# Altium PCB MiniPC.PcbDoc (part 6 of 23) (continued)
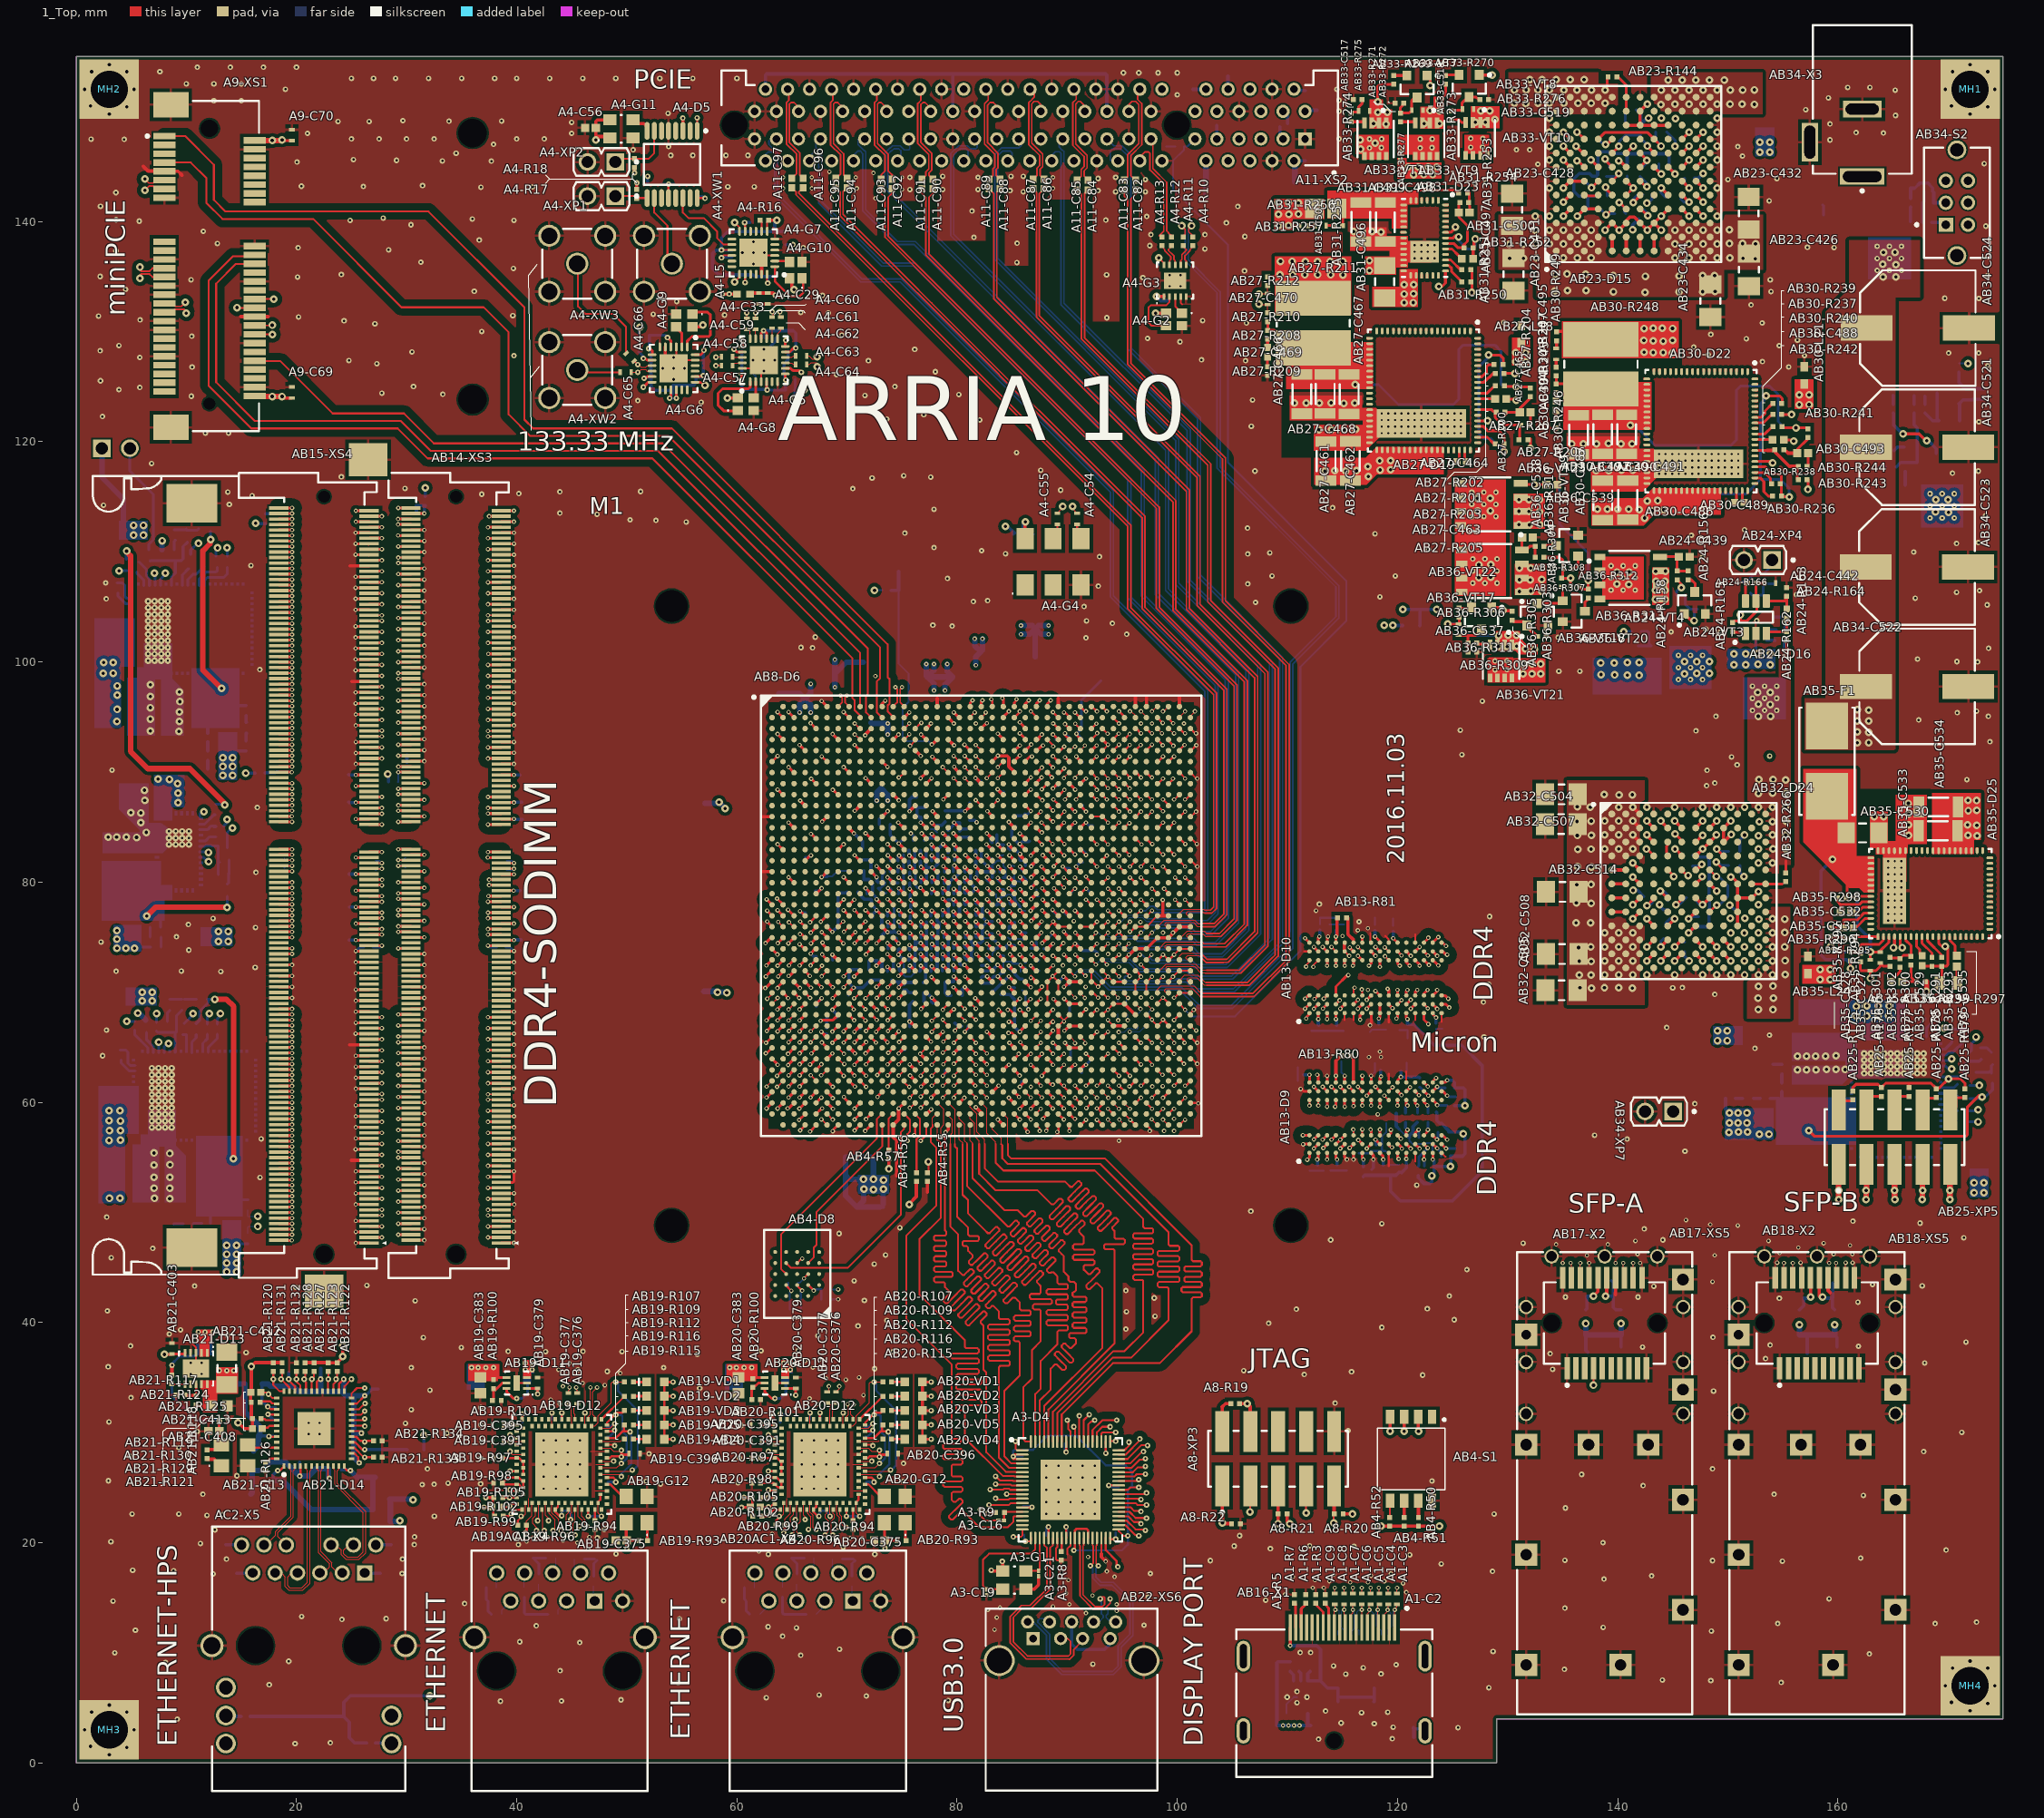
[diagram p0: 1_Top view]
## Part data (continued)
  AB2-C261: New_des=C261, Old_des=C412
  AB2-C266: New_des=C266, Old_des=C413
  AB2-C271: New_des=C271, Old_des=C414
  AB2-C276: New_des=C276, Old_des=C415
  AB2-C281: New_des=C281, Old_des=C416
  AB2-C286: New_des=C286, Old_des=C417
  AB2-C291: New_des=C291, Old_des=C418
  AB2-C296: New_des=C296, Old_des=C419
  AB2-C301: New_des=C301, Old_des=C420
  AB2-C305: New_des=C305, Old_des=C421
  AB2-C309: New_des=C309, Old_des=C422
AB2-L7 AB2-L8 AB21-L11 AB21-L12 AB21-L13 AB21-L14 AB23-L15 AB25-L16 AB26-L17 AB27-L18 AB28-L19 AB29-L20 AB30-L21 AB31-L22 AB32-L23 AB35-L24: library part E45, "SMD EMI Suppression Ferrite Bead WE-CBF, Z = 30 Ohm", ComponentLink1Description="Manufacturer Link", ComponentLink1URL=http://www.we-online.com, ComponentLink2Description=Datasheet, ComponentLink2URL=http://www.we-online.de/katalog/media/pdf/742792609.pdf, DatasheetVersion=Dec-2005, Impedance="30 Ohm", PackageDescription="Chip Inductor, 2-Leads, Body 1.6 x 0.8 mm", PackageReference=SMD-0603, PackageVersion=2009, UID=E45, Тип элемента="Ферритовый дроссель"
  AB2-L7: New_des=L7, Old_des=L15
  AB2-L8: New_des=L8, Old_des=L16
  AB21-L11: New_des=L12, Old_des=L14
  AB21-L12: New_des=L13, Old_des=L12
  AB21-L13: New_des=L15, Old_des=L13
  AB21-L14: New_des=L14, Old_des=L11
  AB23-L15: New_des=L16, Old_des=L9
  AB25-L16: New_des=L9, Old_des=L4
  AB26-L17: New_des=L17, Old_des=L3
  AB27-L18: New_des=L18, Old_des=L2
  AB28-L19: New_des=L19, Old_des=L1
  AB29-L20: New_des=L20, Old_des=L5
  AB30-L21: New_des=L21, Old_des=L6
  AB31-L22: New_des=L22, Old_des=L7
  AB32-L23: New_des=L23, Old_des=L8
  AB35-L24: New_des=L24, Old_des=L10
AB3-D7: library part E113, "Nanopower Precision Shunt Voltage Reference, 1.25 V, 0.05%, 10 ppm/degC, 0 to 70 degC, 8-Pin S8, Tube", Current - Cathode="600 A", Current - Output=20mA, Current - Supply=-, Operating Temperature="0 C ~ 70 C (TA)", Package / Case="8-SOIC (0.154&quot;, 3.90mm Width)", Standard Package=100, Temperature Coefficient=10ppm/C, Tolerance=0.05%, Voltage - Output (Min/Fixed)=1.25V, Category="Integrated Circuits (ICs)", ComponentLink1Description="Manufacturer URL", ComponentLink1URL=http://www.linear.com/, ComponentLink2Description=Datasheet, ComponentLink2URL=http://cds.linear.com/docs/en/datasheet/1389fa.pdf, DatasheetVersion="Rev. A", Family="PMIC - Voltage Reference", Mounting Technology="Surface Mount", Mounting Type="Surface Mount", New_des=D7, Noise - 0#1Hz to 10Hz=25Vp-p, Noise - 10Hz to 10kHz=-, Old_des=U13, Output Type=Fixed, PackageDescription="8-Pin Small Outline Integrated Package, Body 5 x 4 mm, Pitch 1.27 mm", Packaging="Tubeа а", PartNumber=LT1389ACS8-1.25, Product Training Modules="Voltage Reference Basics", Reference Type=Shunt, Series=-, UID=E113, Voltage - Input=-, Voltage - Output (Max)=-, Тип элемента="Прецизионный ИОН"
AB3-R26 AB3-R27 AB3-R28 AB3-R29 AB3-R30 AB3-R31 AB3-R32 AB3-R33 AB3-R34 AB3-R35 AB3-R36 AB3-R37 AB3-R38 AB3-R39 AB3-R40 AB3-R41 AB3-R42 AB3-R43 AB3-R45 AB3-R46 AB3-R47 AB3-R48 AB3-R49: library part E94, "Chip Resistor, 240 Ohm, +/- 5%, 100 mW, -55 to 155 degC, 0402 (1005 Metric), RoHS, Tape and Reel", Case\/Package=0402, Case Code (Metric)=1005, Manufacturer="Basic Passives", Max Operating Temperature="155 degC", Min Operating Temperature="-55 degC", Package Quantity=10000, Power Rating="100 mW", Resistance="240 Ohm", Tolerance=5%, Voltage Rating="50 V", Case Code (Imperial)=0402, ComponentLink1Description="Manufacturer URL", ComponentLink1URL=http://www.panasonic.com/, ComponentLink2Description=Datasheet, ComponentLink2URL=http://industrial.panasonic.com/cdbs/www-data/pdf/RDA0000/AOA0000C84.pdf, DatasheetVersion=03/2015, Height="0.35 mm", Length="1 mm", Mount="Surface Mount", Mounting Technology="Surface Mount", PackageDescription="2-Pin Surface Mount Device, Body 1 x 0.5 mm", PackageReference=0402, Packaging="Tape and Reel", PartNumber=ERJ-2GEJ241x, Pins=2, Radiation Hardening=No, REACH SVHC=Yes, RoHSCompliant=true, UID=E94, Width="0.5 mm", Тип элемента=Резистор
  AB3-R26: New_des=R26, Old_des=R206
  AB3-R27: New_des=R27, Old_des=R194
  AB3-R28: New_des=R28, Old_des=R205
  AB3-R29: New_des=R29, Old_des=R193
  AB3-R30: New_des=R30, Old_des=R204
  AB3-R31: New_des=R31, Old_des=R192
  AB3-R32: New_des=R32, Old_des=R203
  AB3-R33: New_des=R33, Old_des=R191
  AB3-R34: New_des=R34, Old_des=R202
  AB3-R35: New_des=R35, Old_des=R190
  AB3-R36: New_des=R36, Old_des=R201
  AB3-R37: New_des=R37, Old_des=R189
  AB3-R38: New_des=R38, Old_des=R200
  AB3-R39: New_des=R39, Old_des=R188
  AB3-R40: New_des=R40, Old_des=R199
  AB3-R41: New_des=R41, Old_des=R187
  AB3-R42: New_des=R42, Old_des=R198
  AB3-R43: New_des=R43, Old_des=R186
  AB3-R45: New_des=R45, Old_des=R197
  AB3-R46: New_des=R46, Old_des=R185
  AB3-R47: New_des=R47, Old_des=R196
  AB3-R48: New_des=R48, Old_des=R184
  AB3-R49: New_des=R49, Old_des=R195
AB4-D8: library part E121, "EPCQ-L Serial Configuration Device, 1.8 V, -40 to 85 degC, 24-Pin FBGA, RoHS, Tray", Manufacturer=Altera, ComponentLink1Description="Manufacturer URL", ComponentLink1URL=https://www.altera.com/, ComponentLink2Description=Datasheet, ComponentLink2URL=https://www.altera.com/content/dam/altera-www/global/en_US/pdfs/literature/hb/cfg/cfg_cf52013.pdf, ComponentLink3Description="Package Specification", ComponentLink3URL=https://www.altera.com/content/dam/altera-www/global/en_US/pdfs/literature/packaging/04r00469-01.pdf, DatasheetVersion="Rev. 2016-05-30", Mounting Technology="Surface Mount", New_des=D8, Old_des=U26, PackageDescription="24-Pin FineLine Ball-Grid Array, Body 6 x 8 mm, Pitch 1 mm", PackageReference=FBGA24_A-130, PackageVersion="Rev. 2.0, 01/2015", PartNumber=EPCQL1024F24IN, UID=E121, Тип элемента=ППЗУ
AB4-S1: library part E104, "WS-DISV 1.27 mm small compact SMD Dip Switch with top tape", Manufacturer="Wuerth Elektronik", ComponentLink1Description="Manufacturer URL", ComponentLink1URL=http://www.we-online.com, ComponentLink2Description=Datasheet, ComponentLink2URL=http://katalog.we-online.de/em/datasheet/4161311608xx.pdf, New_des=S1, NoPins=08, Old_des=SW2, PackageReference=416131160804, PartNumber=416131160804, UID=E104, Тип элемента="Набор 8 ключей"
AB7-R59 AB7-R60 AB7-R61 AB7-R62 AB7-R63 AB13-R65 AB13-R66 AB13-R67 AB13-R68 AB13-R69 AB13-R70 AB13-R71 AB13-R72 AB13-R73 AB13-R74 AB13-R75 AB13-R76 AB13-R77 AB13-R78 AB14-R83 AB14-R84 AB14-R85 AB14-R86 AB14-R87 AB15-R88 AB15-R89 AB15-R90 AB15-R91 AB15-R92: library part E97, "Chip Resistor, 39 Ohm, +/- 5%, 0.063 W, -55 to 155 degC, 0402 (1005 Metric), RoHS, Tape and Reel", Case/Package=0402, Case Code (Metric)=1005, Max Operating Temperature="155 degC", Min Operating Temperature="-55 degC", Package Quantity=1, Power Rating="63 mW", Resistance="39 Ohm", Tolerance=5%, Voltage Rating="50 V", Case Code (Imperial)=0402, ComponentLink1Description="Manufacturer URL", ComponentLink1URL=http://www.yageo.com/, ComponentLink2Description=Datasheet, ComponentLink2URL=http://www.yageo.com/documents/recent/PYu-RC_Group_51_RoHS_L_04.pdf, DatasheetVersion="Rev. 4, 02/2016", Height="0.35 mm", Length="1 mm", Mount="Surface Mount", Mounting Technology="Surface Mount", PackageDescription="2-Pin Surface Mount Device, Body 1 x 0.5 mm", Packaging="Cut Tape", PartNumber=RC0402JR-0739RL, Pins=2, REACH SVHC="No SVHC", RoHSCompliant=true, UID=E97, Voltage Rating (DC)="50 V", Width="0.5 mm", Тип элемента=Резистор
  AB7-R59: New_des=R59, Old_des=R239
  AB7-R60: New_des=R60, Old_des=R240
  AB7-R61: New_des=R61, Old_des=R238
  AB7-R62: New_des=R62, Old_des=R241
  AB7-R63: New_des=R63, Old_des=R237
  AB13-R65: New_des=R65, Old_des=R211
  AB13-R66: New_des=R66, Old_des=R212
  AB13-R67: New_des=R67, Old_des=R213
  AB13-R68: New_des=R68, Old_des=R214
  AB13-R69: New_des=R69, Old_des=R215
  AB13-R70: New_des=R70, Old_des=R216
  AB13-R71: New_des=R71, Old_des=R217
  AB13-R72: New_des=R72, Old_des=R218
  AB13-R73: New_des=R73, Old_des=R219
  AB13-R74: New_des=R74, Old_des=R220
  AB13-R75: New_des=R75, Old_des=R222
  AB13-R76: New_des=R76, Old_des=R224
  AB13-R77: New_des=R77, Old_des=R225
  AB13-R78: New_des=R78, Old_des=R226
  AB14-R83: New_des=R83, Old_des=R231
  AB14-R84: New_des=R84, Old_des=R228
  AB14-R85: New_des=R85, Old_des=R227
  AB14-R86: New_des=R86, Old_des=R230
  AB14-R87: New_des=R87, Old_des=R229
  AB15-R88: New_des=R107, Old_des=R236
  AB15-R89: New_des=R108, Old_des=R233
  AB15-R90: New_des=R109, Old_des=R232
  AB15-R91: New_des=R110, Old_des=R235
  AB15-R92: New_des=R111, Old_des=R234
AB8-D6: library part E105, "Arria 10 SX Family, 588 I/O Pins, 16 Fractional PLLs, 1517-Pin FBGA, Speed Grade 2, Extended Grade, RoHS", Code_JEDEC=MS-034, ComponentLink1Description="Manufacturer URL", ComponentLink1URL=https://www.altera.com/, ComponentLink2Description=Datasheet, ComponentLink2URL=https://www.altera.com/content/dam/altera-www/global/en_US/pdfs/literature/hb/arria-10/a10_datasheet.pdf, ComponentLink3Description="Package Specification", ComponentLink3URL=https://www.altera.com/content/dam/altera-www/global/en_US/pdfs/literature/packaging/04r00461-04.pdf, DatasheetVersion="Rev. 2016-06-24, 06/2016", Mounting Technology="Surface Mount", New_des=D6, Old_des=U1, PackageDescription="1517-Pin FineLine Ball-Grid Array (FBGA), Body 40 x 40 mm, Pitch 1 mm", PackageVersion="Rev. 5.0, 01/2016", PartNumber=10AS066N3F40E2SGE2, UID=E105, Тип элемента=ПЛИС
AB13-D9 AB13-D10: library part E114, "8 Gb DDR4 SDRAM, 512 Meg x 16, 1.2 V, 0 to 95 degC, 96-Ball FBGA (LY), RoHS", ComponentLink1Description="Manufacturer URL", ComponentLink1URL=http://www.micron.com/, ComponentLink2Description=Datasheet, ComponentLink2URL=https://www.micron.com/~/media/documents/products/data-sheet/dram/ddr4/8gb_ddr4_sdram.pdf, DatasheetVersion="Rev. E, 05/2016", Mounting Technology="Surface Mount", PackageDescription="96-Ball Fine Pitch Ball Grid Array, Body 7.5 x 13.5 mm, Pitch 0.8 mm", PartNumber=MT40A512M16LY-107E, UID=E114, Тип элемента=ДОЗУ
  AB13-D9: New_des=D9, Old_des=U15
  AB13-D10: New_des=D10, Old_des=U14
AB13-R64 AB13-R79 AB13-R80 AB13-R81 AB19-R107 AB19-R109 AB19-R112 AB19-R115 AB19-R116 AB20-R107 AB20-R109 AB20-R112 AB20-R115 AB20-R116: library part E95, "Chip Resistor, 240 Ohm, +/- 1%, 100 mW, -55 to 155 degC, 0402 (1005 Metric), RoHS, Tape and Reel", Case\/Package=0402, Case Code (Metric)=1005, Max Operating Temperature="155 degC", Min Operating Temperature="-55 degC", Package Quantity=10000, Power Rating="100 mW", Resistance="240 Ohm", Tolerance=1%, Voltage Rating="50 V", Case Code (Imperial)=0402, ComponentLink1Description="Manufacturer URL", ComponentLink1URL=http://www.panasonic.com/, ComponentLink2Description=Datasheet, ComponentLink2URL=http://industrial.panasonic.com/cdbs/www-data/pdf/RDA0000/AOA0000C86.pdf, DatasheetVersion=04/2015, Height="0.35 mm", Length="1 mm", Mount="Surface Mount", Mounting Technology="Surface Mount", PackageDescription="2-Pin Surface Mount Device, Body 1 x 0.5 mm", PackageReference=0402, Packaging="Tape and Reel", PartNumber=ERJ-2RKF2400X, Pins=2, Radiation Hardening=No, REACH SVHC=Unknown, RoHSCompliant=true, UID=E95, Width="0.5 mm", Тип элемента=Резистор
  AB13-R64: New_des=R64, Old_des=R221
  AB13-R79: New_des=R79, Old_des=R223
  AB13-R80: New_des=R80, Old_des=R209
  AB13-R81: New_des=R81, Old_des=R208
  AB19-R107 AB20-R107: New_des=R126, Old_des=R271
  AB19-R109 AB20-R109: New_des=R128, Old_des=R269
  AB19-R112 AB20-R112: New_des=R131, Old_des=R268
  AB19-R115 AB20-R115: New_des=R134, Old_des=R266
  AB19-R116 AB20-R116: New_des=R135, Old_des=R267
AB13-R82 AB21-R125: library part E96, "Chip Resistor, 2 KOhm, +/- 1%, 100 mW, -55 to 155 degC, 0402 (1005 Metric), RoHS, Tape and Reel", Case\/Package=0402, Case Code (Metric)=1005, Manufacturer="Basic Passives", Max Operating Temperature="155 degC", Min Operating Temperature="-55 degC", Package Quantity=10000, Power Rating="100 mW", Resistance="2 KOhm", Tolerance=1%, Voltage Rating="50 V", Case Code (Imperial)=0402, ComponentLink1Description="Manufacturer URL", ComponentLink1URL=http://www.panasonic.com/, ComponentLink2Description=Datasheet, ComponentLink2URL=http://industrial.panasonic.com/cdbs/www-data/pdf/RDA0000/AOA0000C86.pdf, DatasheetVersion=04/2015, Height="0.35 mm", Length="1 mm", Mount="Surface Mount", Mounting Technology="Surface Mount", PackageDescription="2-Pin Surface Mount Device, Body 1 x 0.5 mm", PackageReference=0402, Packaging="Tape and Reel", PartNumber=ERJ-2RKF2001X, Pins=2, Radiation Hardening=No, REACH SVHC=Unknown, RoHSCompliant=true, UID=E96, Width="0.5 mm", Тип элемента=Резистор
  AB13-R82: New_des=R82, Old_des=R210
  AB21-R125: New_des=R144, Old_des=R314
AB14-XS3: library part E36, "Surface Mount Horizontal Type DDR4 DIMM Socket Connector, 260 Position, Pitch 0.5 mm, -55 to 85 degC, Halogen/Lead Free, Tape and Reel", ComponentLink1Description="Manufacturer URL", ComponentLink1URL=http://www.foxconn.com/, ComponentLink2Description=Datasheet, ComponentLink2URL=https://drive.google.com/drive/folders/0By4GUdJb-DJ9Um5lRWw4YjB4d2c, DatasheetVersion="Rev. A, 10/2013", Mounting Technology="Surface Mount", New_des=XS3, Old_des=J8, PackageDescription="260-Pin Surface Mount Device, Body Length 73.1 mm, Pitch 0.5 mm", PartNumber=AS0A823-H8SB-7H, System=Connector, UID=E36, Тип элемента=Соединитель
AB15-XS4: library part E43, "Surface Mount Horizontal Type DDR4 DIMM Socket Connector, 260 Position, Pitch 0.5 mm, -55 to 85 degC, Halogen/Lead Free, Tape and Reel", ComponentLink1Description="Manufacturer URL", ComponentLink1URL=http://www.foxconn.com/, ComponentLink2Description=Datasheet, ComponentLink2URL=https://datasheet.octopart.com/AS0A823-H4SB-7H-Foxconn-datasheet-34149518.pdf, DatasheetVersion="Rev. A, 10/2013", Mounting Technology="Surface Mount", New_des=XS4, Old_des=J20, PackageDescription="260-Pin Surface Mount Device, Body Length 73.1 mm, Pitch 0.5 mm", PartNumber=AS0A823-H4SB-7H, System=Connector, UID=E43, Тип элемента=Соединитель
AB16-X1: library part E34, "DisplayPort Connector, Pitch 0.5 mm, 1 x 20 Position, Height 6.65 mm, -20 to 85 degC, RoHS, Tape and Reel", Manufacturer=Molex, ClassName=A1, ComponentLink1Description="Manufacturer URL", ComponentLink1URL=http://www.molex.com/, ComponentLink2Description=Datasheet, ComponentLink2URL=http://www.molex.com/pdm_docs/sd/472720024_sd.pdf, DatasheetVersion="Rev. F", Mounting Technology="Surface Mount", New_des=X1, Old_des=J6, PackageDescription="DisplayPort Connector, Pitch 0.5 mm, 1 x 20 Position, Height 6.65 mm", PackageReference=472720024, PartNumber=472720024, UID=E34, Тип элемента=Соединитель
AB17-L9 AB17-L10 AB18-L9 AB18-L10: library part E49, "Chip Inductor, 1000 nH, +/- 1%, -40 to 125 degC, 2-Pin SMD, RoHS, Tape and Reel", Inductance="1000 nH", ComponentLink1Description="Manufacturer URL", ComponentLink1URL=http://www.coilcraft.com/, ComponentLink2Description=Datasheet, ComponentLink2URL=http://datasheet.octopart.com/1008CS-102XFLC-Coilcraft-datasheet-10791557.pdf, DatasheetVersion=01/2012, Mounting Technology="Surface Mount", PackageDescription="2-Pin Surface Mount Device, Body 2.92 x 2.79 mm", PartNumber=1008CS-102XFLC, RoHSCompliant=False, UID=E49, Тип элемента="Ферритовый дроссель"
  AB17-L9 AB18-L9: New_des=L10, Old_des=L24
  AB17-L10 AB18-L10: New_des=L11, Old_des=L23
AB17-X2 AB18-X2: library part E35, "Female Transceiver Interface, Pitch 0.8 mm, 2 x 10 Position, Height 5.2 mm, -55 to 125 degC, RoHS, Tube", Manufacturer=Samtec, ComponentLink1Description="Manufacturer URL", ComponentLink1URL=http://www.samtec.com/, ComponentLink2Description=Datasheet, ComponentLink2URL=http://suddendocs.samtec.com/catalog_english/mect.pdf, ComponentLink3Description="Package Specification", ComponentLink3URL=http://suddendocs.samtec.com/prints/mect-1xx-xx-xx-xx-d-rax-xx-footprint.pdf, DatasheetVersion="Rev. Feb-16", Mounting Technology="Surface Mount", New_des=X2, Old_des=J7, PackageDescription="Female Transceiver Interface, Pitch 0.8 mm, 2 x 10 Position, Height 5.2 mm", PackageReference=MECT-110-01-M-D-RA1, PackageVersion="Rev. H, 06/2016", PartNumber=MECT-110-01-M-D-RA1, UID=E35, Тип элемента=Соединитель
AB17-XS5 AB18-XS5: library part E1, "SFP+ Cage, Single Port, Height 10.85 mm, Tail Height 3.05 mm, -40 to 85 degC, RoHS, Tray", Manufacturer=Molex, ComponentLink1Description="Manufacturer URL", ComponentLink1URL=http://www.molex.com/, ComponentLink2Description=Datasheet, ComponentLink2URL=http://www.molex.com/webdocs/datasheets/pdf/en-us/0747540101_IO_CONNECTORS.pdf, ComponentLink3Description="Package Specification", ComponentLink3URL=http://www.molex.com/pdm_docs/sd/747540101_sd.pdf, DatasheetVersion="Rev. Jul-15", Mounting Technology="Through Hole", New_des=XS5, Old_des=B1, PackageDescription="SFP+ Cage, Single Port, Height 10.85 mm, Tail Height 3.05 mm", PackageReference=74754-0101, PackageVersion="Rev. J, 02/2015", PartNumber=74754-0101, UID=E1, Тип элемента="Корзина соединителя"
AB19-C379 AB20-C379 AB21-C403 AB24-C441 AB25-C451 AB26-C460 AB27-C470 AB28-C479 AB29-C485 AB30-C495 AB31-C501 AB33-C517 AB33-C518 AB33-C519 AB34-C525 AB34-C526 AB35-C527 AB35-C528 AB36-C537: library part E2, "Chip Capacitor, 1 uF, +/- 10%, 25 V, -55 to 85 degC, 0402 (1005 Metric), RoHS, Tape and Reel", Capacitance="1 uF", Case/Package=0402, Case Code (Metric)=1005, Max Operating Temperature="85 degC", Min Operating Temperature="-55 degC", Package Quantity=1, Tolerance=10%, Case Code (Imperial)=0402, ComponentLink1Description="Manufacturer URL", ComponentLink1URL=http://www.tdk.com/, ComponentLink2Description=Datasheet, ComponentLink2URL=https://product.tdk.com/info/en/catalog/datasheets/mlcc_commercial_lowprofile_en.pdf, DatasheetVersion=04/2015, Length="0.039 inch", Mounting Technology="Surface Mount", PackageDescription="2-Pin Surface Mount Device, Body 1 x 0.5 mm", Packaging="Tape and Reel", PartNumber=CGB2A1X5R1E105K033BC, RoHSCompliant=True, UID=E2, Width="0.02 inch", Тип элемента=Конденсатор
  AB19-C379 AB20-C379: New_des=C388, Old_des=C327
  AB21-C403: New_des=C412, Old_des=C384
  AB24-C441: New_des=C450, Old_des=C66
  AB25-C451: New_des=C371, Old_des=C35
  AB26-C460: New_des=C460, Old_des=C26
  AB27-C470: New_des=C470, Old_des=C23
  AB28-C479: New_des=C479, Old_des=C7
  AB29-C485: New_des=C485, Old_des=C44
  AB30-C495: New_des=C495, Old_des=C57
  AB31-C501: New_des=C501, Old_des=C60
  AB33-C517: New_des=C517, Old_des=C6
  AB33-C518: New_des=C518, Old_des=C4
  AB33-C519: New_des=C519, Old_des=C5
  AB34-C525: New_des=C525, Old_des=C73
  AB34-C526: New_des=C526, Old_des=C78
  AB35-C527: New_des=C527, Old_des=C114
  AB35-C528: New_des=C528, Old_des=C109
  AB36-C537: New_des=C537, Old_des=C1
AB19-D11 AB20-D11: library part E118, "500 mA Micropower VLDO Linear Regulator, 0.9 to 5.5 V Vin, Adjustable Vout, 6-pin SON (DC6-6), -40 to 125 degC, Pb-Free", Dropout Voltage(V)=0.085, Manufacturer="Linear Technology", Output Voltage=Adj, Shutdown Current(uA)=1, Code_JEDEC=MO-229, ComponentLink1Description="Manufacturer URL", ComponentLink1URL=http://www.linear.com/, ComponentLink2Description=Datasheet, ComponentLink2URL=http://cds.linear.com/docs/en/datasheet/30251234ff.pdf, ComponentLink3Description="Package Specification", ComponentLink3URL=http://cds.linear.com/docs/en/packaging/DFN_6_05-08-1703.pdf, DatasheetVersion="Rev. F", Discrete Pass Element=no, Iout(mA)=500, Isupply(mA)=0.05, Mounting Technology="Surface Mount", New_des=D12, Noise(uV)=80, Number of Outputs=1, Old_des=U19, PackageDescription="6-Pin Plastic DFN, Body 2 x 2 mm, Pitch 0.5 mm", PackageReference=DC6-6, PackageVersion="Rev. B, 06/2010", PartNumber=LTC3025EDC-1#PBF, RoHS=TRUE, UID=E118, Vin Max(V)=5.5, Vin Min(V)=0.9, Vout Max(V)=3.6, Vout Min(V)=0.4, Тип элемента=Стабилизатор
AB19-D12 AB20-D12: library part E116, "Integrated 10/100/1000 Ultra Gigabit Ethernet Transceiver, Commercial Grade, 96-Pin QFN, RoHS", ComponentLink1Description="Manufacturer URL", ComponentLink1URL=http://www.marvell.com/, ComponentLink2Description=Datasheet, ComponentLink2URL=http://www.marvell.com//transceivers/assets/Marvell-Alaska-Ultra-88E1111-GbE.pdf, DatasheetVersion="Rev. A", Mounting Technology="Surface Mount", New_des=D13, Old_des=U17, PackageDescription="96-Pin Quad Flat No-lead Package, Body 9 x 9 mm, Pitch 0.3 mm", PartNumber=88E1111-B2-NDC2C000, UID=E116, Тип элемента=Приёмник/передатчик
AB19-G12 AB20-G12 AB21-G13: library part E117, "Crystal Oscillator (SPXO), 2.5 V, 25 MHz, -20 to 70 degC, 4-Pin SMD, RoHS, Tape and Reel", Max Operating Temperature="70 degC", Min Operating Temperature="-20 degC", ComponentLink1Description="Manufacturer URL", ComponentLink1URL=https://www.eea.epson.com/, ComponentLink2Description=Datasheet, ComponentLink2URL=http://www5.epsondevice.com/en/products/spxo_standard/sg310sdf.html#, DatasheetVersion="Rev. Feb-15", Height="1.05 mm", Length="3.2 mm", Mounting Technology="Surface Mount", PackageDescription="4-Pin Surface Mount Device, Body 3.2 x 2.5 mm", Packaging="Tape and Reel", PartNumber="SG-310SDF 25.0000M-B3", RoHSCompliant=True, UID=E117, Width="2.5 mm", Тип элемента=Генератор
  AB19-G12 AB20-G12: New_des=G12, Old_des=U18
  AB21-G13: New_des=G13, Old_des=U24
AB19-R95 AB20-R95: library part E100, "Chip Resistor, 4.99 KOhm, +/- 1%, 100 mW, -55 to 155 degC, 0402 (1005 Metric), RoHS, Tape and Reel", Case\/Package=0402, Case Code (Metric)=1005, Manufacturer="Basic Passives", Max Operating Temperature="155 degC", Min Operating Temperature="-55 degC", Package Quantity=10000, Power Rating="100 mW", Resistance="4.99 KOhm", Tolerance=1%, Voltage Rating="50 V", Case Code (Imperial)=0402, ComponentLink1Description="Manufacturer URL", ComponentLink1URL=http://www.panasonic.com/, ComponentLink2Description=Datasheet, ComponentLink2URL=http://industrial.panasonic.com/cdbs/www-data/pdf/RDA0000/AOA0000C86.pdf, DatasheetVersion=04/2015, Height="0.35 mm", Length="1 mm", Mount="Surface Mount", Mounting Technology="Surface Mount", New_des=R114, Old_des=R265, PackageDescription="2-Pin Surface Mount Device, Body 1 x 0.5 mm", PackageReference=0402, Packaging="Tape and Reel", PartNumber=ERJ-2RKF4991X, Pins=2, Radiation Hardening=No, REACH SVHC=Unknown, RoHSCompliant=true, UID=E100, Weight=2.8E-05oz, Width="0.5 mm", Тип элемента=Резистор
AB19-R100 AB20-R100 AB25-R180 AB26-R194 AB28-R221 AB30-R244: library part E62, "Chip Resistor, 15 KOhm, +/- 1%, 100 mW, -55 to 155 degC, 0402 (1005 Metric), RoHS, Tape and Reel", Case\/Package=0402, Case Code (Metric)=1005, Manufacturer="Basic Passives", Max Operating Temperature="155 degC", Min Operating Temperature="-55 degC", Package Quantity=10000, Power Rating="100 mW", Resistance="15 KOhm", Tolerance=1%, Voltage Rating="50 V", Case Code (Imperial)=0402, ComponentLink1Description="Manufacturer URL", ComponentLink1URL=http://www.panasonic.com/, ComponentLink2Description=Datasheet, ComponentLink2URL=http://industrial.panasonic.com/cdbs/www-data/pdf/RDA0000/AOA0000C86.pdf, DatasheetVersion=04/2015, Height="0.35 mm", Length="1 mm", Mount="Surface Mount", Mounting Technology="Surface Mount", PackageDescription="2-Pin Surface Mount Device, Body 1 x 0.5 mm", PackageReference=0402, Packaging="Tape and Reel", PartNumber=ERJ-2RKF1502X, Pins=2, Radiation Hardening=No, REACH SVHC=Yes, RoHSCompliant=true, UID=E62, Weight=2.8E-05oz, Width="0.5 mm", Тип элемента=Резистор
  AB19-R100 AB20-R100: New_des=R119, Old_des=R270
  AB25-R180: New_des=R101, Old_des=R64
  AB26-R194: New_des=R194, Old_des=R50
  AB28-R221: New_des=R221, Old_des=R22
  AB30-R244: New_des=R244, Old_des=R91
AB19-R102 AB19-R103 AB19-R104 AB19-R106 AB19-R108 AB19-R110 AB19-R111 AB19-R113 AB19-R114 AB20-R102 AB20-R103 AB20-R104 AB20-R106 AB20-R108 AB20-R110 AB20-R111 AB20-R113 AB20-R114 AB21-R119 AB21-R121 AB24-R163 AB28-R213 AB29-R228: library part E67, "Chip Resistor, 49.9 Ohm, +/- 1%, 0.06 W, -55 to 155 degC, 0402 (1005 Metric), RoHS, Tape and Reel", Case/Package=0402, Max Operating Temperature="155 degC", Min Operating Temperature="-55 degC", Resistance="49.9 Ohm", Tolerance=1%, ComponentLink1Description="Manufacturer URL", ComponentLink1URL=http://www.niccomp.com/, ComponentLink2Description=Datasheet, ComponentLink2URL=https://datasheet.ciiva.com/27056/2008575-27056094.pdf, DatasheetVersion=11/2008, Height="0.3 mm", Length="1 mm", Mounting Technology="Surface Mount", PackageDescription="2-Pin Surface Mount Device, Body 1 x 0.5 mm", Packaging="Tape and Reel", PartNumber=NRC04F49R9TRF, Radiation Hardening=No, RoHSCompliant=True, UID=E67, Тип элемента=Резистор
  AB19-R102 AB20-R102: New_des=R121, Old_des=R260
  AB19-R103 AB20-R103: New_des=R122, Old_des=R249
  AB19-R104 AB20-R104: New_des=R123, Old_des=R250
  AB19-R106 AB20-R106: New_des=R125, Old_des=R251
  AB19-R108 AB20-R108: New_des=R127, Old_des=R252
  AB19-R110 AB20-R110: New_des=R129, Old_des=R253
  AB19-R111 AB20-R111: New_des=R130, Old_des=R254
  AB19-R113 AB20-R113: New_des=R132, Old_des=R255
  AB19-R114 AB20-R114: New_des=R133, Old_des=R256
  AB21-R119: New_des=R138, Old_des=R300
  AB21-R121: New_des=R140, Old_des=R301
  AB24-R163: New_des=R182, Old_des=R120
  AB28-R213: New_des=R213, Old_des=R31
  AB29-R228: New_des=R228, Old_des=R87
AB19-VD1 AB19-VD2 AB19-VD3 AB19-VD4 AB19-VD5 AB20-VD1 AB20-VD2 AB20-VD3 AB20-VD4 AB20-VD5: library part E30, "SMD mono-color Chip LED, WL-SMCW, Bright Green", Color="Bright Green", Manufacturer="Wuerth Elektronik", ComponentLink1Description="Manufacturer URL", ComponentLink1URL=http://www.we-online.com, ComponentLink2Description=Datasheet, ComponentLink2URL=http://katalog.we-online.com/led/datasheet/150060VS75000.pdf, PackageReference=0603_A, PartNumber=150060VS75000, UID=E30, Тип элемента=Светодиод
  AB19-VD1 AB20-VD1: New_des=VD1, Old_des=D9
  AB19-VD2 AB20-VD2: New_des=VD2, Old_des=D8
  AB19-VD3 AB20-VD3: New_des=VD3, Old_des=D7
  AB19-VD4 AB20-VD4: New_des=VD4, Old_des=D5
  AB19-VD5 AB20-VD5: New_des=VD5, Old_des=D6
AB19AC1-X4 AB20AC1-X4: library part E37, "RJ45 LAN Transformer, Modular JACK, 0 to 70 degC, 10-Pin THD, RoHS, Tube", ClassName="AB19, AB20, AC12", ComponentLink1Description="Manufacturer URL", ComponentLink1URL=https://www.we-online.com/, ComponentLink2Description=Datasheet, ComponentLink2URL=https://katalog.we-online.de/pbs/datasheet/7499111001A.pdf, DatasheetVersion="Rev. 01", Mounting Technology="Through Hole", PackageDescription="10-Pin Through Hole Device, Body 21.84 x 16 mm", PartNumber=7499111001A, RoHSCompliant=False, UID=E37, Тип элемента="Набор трансформаторов"
AB21-D13: library part E120, "1.5 A Low Input Voltage VLDO Linear Regulator, Boost Converter Disabled, Require 5 V External Supply, 1.14 to 5.5 V Vin, Adjustable Vout, 10-pin SON (DD-10), -40 to 125 degC, Pb-Free", Dropout Voltage(V)=0.1, Manufacturer="Linear Technology", Output Voltage=Adj, Shutdown Current(uA)=0.6, Code_JEDEC=MO-229, ComponentLink1Description="Manufacturer URL", ComponentLink1URL=http://www.linear.com/, ComponentLink2Description=Datasheet, ComponentLink2URL=http://cds.linear.com/docs/en/datasheet/30261f.pdf, ComponentLink3Description="Package Specification", ComponentLink3URL=http://cds.linear.com/docs/en/packaging/DFN_10_05-08-1699.pdf, Discrete Pass Element=no, Iout(mA)=1500, Isupply(mA)=0.095, Mounting Technology="Surface Mount", New_des=D14, Noise(uV)=110, Number of Outputs=1, Old_des=U25, PackageDescription="10-Pin Plastic DFN, Body 3 x 3 mm, Pitch 0.5 mm", PackageReference=DD-10, PackageVersion="Rev. C, 06/2010", PartNumber=LTC3026EDD-1#PBF, PSRR(dB)=42, RoHS=TRUE, UID=E120, Vin Max(V)=5.5, Vin Min(V)=1.14, Vout Max(V)=2.6, Vout Min(V)=0.4, Тип элемента=Стабилизатор
AB21-D14: library part E111, "Gigabit Ethernet Transceiver with RGMII Support, 1.14 to 1.26 V, 0 to 70 degC, 48-Pin QFN, RoHS", Manufacturer=Micrel, Temperature Range="0 to 70 degC", ComponentLink1Description="Manufacturer URL", ComponentLink1URL=http://www.micrel.com/, ComponentLink2Description=Datasheet, ComponentLink2URL=http://www.micrel.com/_PDF/Ethernet/datasheets/KSZ9031RNX.pdf, ComponentLink3Description="Package Specification", ComponentLink3URL=http://www.micrel.com/_PDF/Ethernet/datasheets/KSZ9031RNX.pdf, DatasheetVersion="Rev. 2.1", Drivers=4, DVDDL="1.14 to 1.26 V", ILED="8 mA Typ.", Mounting Technology="Surface Mount", New_des=D15, Old_des=U11, Output Tri-State Leakage="10 uA Max.", PackageDescription="48-Pin Quad Flat Non-Lead Package, Body 7 x 7 mm, Pitch 0.5 mm", PartNumber=KSZ9031RNXCA, Receivers=4, RoHS=TRUE, UID=E111, VSET@R(ISET)="12.1 KOhm=1.2 V Typ.", Тип элемента=Приёмник/передатчик
AB21-R126: library part E102, "Chip Resistor, 12.1 KOhm, +/- 1%, 63 mW, -55 to 155 degC, 0402 (1005 Metric), RoHS, Tape and Reel", Case\/Package=0402, Case Code (Metric)=1005, Manufacturer="Basic Passives", Max Operating Temperature="155 degC", Min Operating Temperature="-55 degC", Package Quantity=10000, Power Rating="63 mW", Resistance="12.1 KOhm", Tolerance=1%, Voltage Rating="50 V", Case Code (Imperial)=0402, ComponentLink1Description="Manufacturer URL", ComponentLink1URL=http://www.vishay.com/, ComponentLink2Description=Datasheet, ComponentLink2URL=http://www.vishay.com/docs/20035/dcrcwe3.pdf, DatasheetVersion=06/2012, Height="0.35 mm", Length="1 mm", Mount="Surface Mount", Mounting Technology="Surface Mount", New_des=R146, Old_des=R299, PackageDescription="2-Pin Surface Mount Device, Body 1 x 0.5 mm", PackageReference=0402, Packaging="Tape and Reel", PartNumber=CRCW040212K1FKED, Pins=2, Radiation Hardening=No, REACH SVHC=Unknown, RoHSCompliant=true, UID=E102, Weight=2.3E-05oz, Width="0.5 mm", Тип элемента=Резистор
AB22-XS6: library part E44, "USB 3.0 Standard-A Receptacle Right Angle Type Soldering to Board Termination, 30 V, -55 to 85 degC, 9-Pin THD, RoHS, Tray", ClassName=A3, ComponentLink1Description="Manufacturer URL", ComponentLink1URL=http://portal.fciconnect.com/, ComponentLink2Description=Datasheet, ComponentLink2URL=http://portal.fciconnect.com/Comergent/fci/documentation/gs-12-0928.pdf, ComponentLink3Description="Package Specification", ComponentLink3URL=http://portal.fciconnect.com/Comergent/fci/drawing/10117835.pdf, DatasheetVersion="Rev. B, 05/2014", Mounting Technology="Through Hole", New_des=XS6, Old_des=J22, PackageDescription="9-Pin Through Hole Device, Body 15.6 x 16.5 mm", PackageReference=10117835, UID=E44, Тип элемента=Соединитель
AB23-C427: library part E17, "Chip Capacitor, 2.2 nF, +/- 10%, 25 V, -55 to 125 degC, 0402 (1005 Metric), RoHS, Tape and Reel", Capacitance="2.2 nF", Case\/Package=0402, Case Code (Metric)=1005, Max Operating Temperature="125 degC", Min Operating Temperature="-55 degC", Package Quantity=1, Tolerance=10%, Type (Capacitors)=X7R, Voltage Rating="25 V", Case Code (Imperial)=0402, ComponentLink1Description="Manufacturer URL", ComponentLink1URL=http://www.tdk.com/, ComponentLink2Description=Datasheet, ComponentLink2URL=https://product.tdk.com/info/en/documents/chara_sheet/CGJ2B2X7R1E222K050BA.pdf, DatasheetVersion=01/2016, Height="0.5 mm", Length="1 mm", Mount="Surface Mount", Mounting Technology="Surface Mount", New_des=C436, Old_des=C107, PackageDescription="2-Pin Surface Mount Device, Body 1 x 0.5 mm", PackageReference=0402, Packaging="Tape and Reel", PartNumber=CGJ2B2X7R1E222K050BA, Pins=2, Radiation Hardening=No, RoHSCompliant=true, UID=E17, Voltage Rating (DC)="25 V", Width="0.5 mm", Тип элемента=Конденсатор
AB23-C430: library part E16, "Chip Capacitor, 68 pF, +/- 5%, 50 V, -55 to 125 degC, 0402 (1005 Metric), RoHS, Tape and Reel", Capacitance="68 pF", Case\/Package=0402, Case Code (Metric)=1005, Max Operating Temperature="125 degC", Min Operating Temperature="-55 degC", Package Quantity=1, Tolerance=5%, Type (Capacitors)=C0G, Voltage Rating="50 V", Case Code (Imperial)=0402, ComponentLink1Description="Manufacturer URL", ComponentLink1URL=http://www.panasonic.com/, ComponentLink2Description=Datasheet, ComponentLink2URL=http://media.digikey.com/pdf/Data%20Sheets/Panasonic%20Capacitors%20PDFs/ECJ_(General).pdf, DatasheetVersion=09/2008, Height="0.5 mm", Length="0.039 inch", Mount="Surface Mount", Mounting Technology="Surface Mount", New_des=C439, Old_des=C106, PackageDescription="2-Pin Surface Mount Device, Body 1 x 0.5 mm", PackageReference=0402, Packaging="Cut Tape", RoHSCompliant=true, UID=E16, Width="0.02 inch", Тип элемента=Конденсатор
AB23-C433 AB23-C435 AB32-C511 AB32-C513 AB32-C515 AB32-C516: library part E13, "Tantalum Capacitor, 330 uF, +/- 20%, 6.3 V, -55 to 105 degC, 2-Pin Molded, RoHS, Tape and Reel", Capacitance="330 uF", Case/Package=2917, Max Operating Temperature="105 degC", Min Operating Temperature="-55 degC", Package Quantity=2500, ComponentLink1Description="Manufacturer URL", ComponentLink1URL=http://www.panasonic.com/, ComponentLink2Description=Datasheet, ComponentLink2URL=http://industrial.panasonic.com/cdbs/www-data/pdf/AAA8000/AAA8000C38.pdf, ComponentLink3Description="Package Specification", ComponentLink3URL=http://industrial.panasonic.com/cdbs/www-data/pdf/AAA8000/AAA8000COL34.pdf, DatasheetVersion=11/2015, Height="2.8 mm", Length="0.287 inch", Mount="Surface Mount", Mounting Technology="Surface Mount", PackageDescription="2-Pin Molded Capacitor, Body 7.3 x 4.3 mm", Packaging="Tape and Reel", PartNumber=6TPF330M9L, Radiation Hardening=No, REACH SVHC=Unknown, RoHSCompliant=True, UID=E13, Width="0.169 inch", Тип элемента=Конденсатор
  AB23-C433: New_des=C442, Old_des=C95
  AB23-C435: New_des=C444, Old_des=C101
  AB32-C511: New_des=C511, Old_des=C80
  AB32-C513: New_des=C513, Old_des=C81
  AB32-C515: New_des=C515, Old_des=C87
  AB32-C516: New_des=C516, Old_des=C88
AB23-D15: library part E119, "Dual 13 A or Single 26 A uModule Regulator with Digital Power System Management, 4.5 to 26.5 V Input, 0.5 to 5.4 V Output, -40 to 125 degC, 144-Ball BGA, RoHS, Tray", Case/Package=BGA, Max Operating Temperature="125 degC", Min Operating Temperature="-40 degC", Output Current="26 A", Package Quantity=90, ComponentLink1Description="Manufacturer URL", ComponentLink1URL=http://www.linear.com/, ComponentLink2Description=Datasheet, ComponentLink2URL=http://cds.linear.com/docs/en/datasheet/4676fd.pdf, ComponentLink3Description="Package Specification", ComponentLink3URL=http://www.linear.com/docs/41077, DatasheetVersion="Rev. D", Height="0.2 inch", Length="0.63 inch", Mount="Surface Mount", Mounting Technology="Surface Mount", New_des=D16, Old_des=U23, PackageDescription="144-Ball Ball Grid Array, Body 16 x 16 mm, Pitch 1.27 mm", PackageVersion="Rev. B, 02/2013", Packaging=Rail/Tube, PartNumber=LTM4676IY#PBF, Pins=144, REACH SVHC="No SVHC", RoHSCompliant=True, UID=E119, Width="0.63 inch", Тип элемента=Стабилизатор
AB23-R138 AB35-R296: library part E88, "Chip Resistor, 4.75 KOhm, +/- 1%, 100 mW, -55 to 155 degC, 0402 (1005 Metric), RoHS, Tape and Reel", Case\/Package=0402, Case Code (Metric)=1005, Manufacturer="Basic Passives", Max Operating Temperature="155 degC", Min Operating Temperature="-55 degC", Package Quantity=10000, Power Rating="100 mW", Resistance="4.75 KOhm", Tolerance=1%, Voltage Rating="50 V", Case Code (Imperial)=0402, ComponentLink1Description="Manufacturer URL", ComponentLink1URL=http://www.panasonic.com/, ComponentLink2Description=Datasheet, ComponentLink2URL=http://industrial.panasonic.com/cdbs/www-data/pdf/RDA0000/AOA0000C86.pdf, DatasheetVersion=04/2015, Height="0.35 mm", Length="1 mm", Mount="Surface Mount", Mounting Technology="Surface Mount", PackageDescription="2-Pin Surface Mount Device, Body 1 x 0.5 mm", PackageReference=0402, Packaging="Tape and Reel", PartNumber=ERJ-2RKF4751X, Pins=2, Radiation Hardening=No, REACH SVHC=Yes, RoHSCompliant=true, UID=E88, Width="0.5 mm", Тип элемента=Резистор
  AB23-R138: New_des=R157, Old_des=R169
  AB35-R296: New_des=R296, Old_des=R172